# KiCad board microcyte_panel.kicad_pcb (continued)
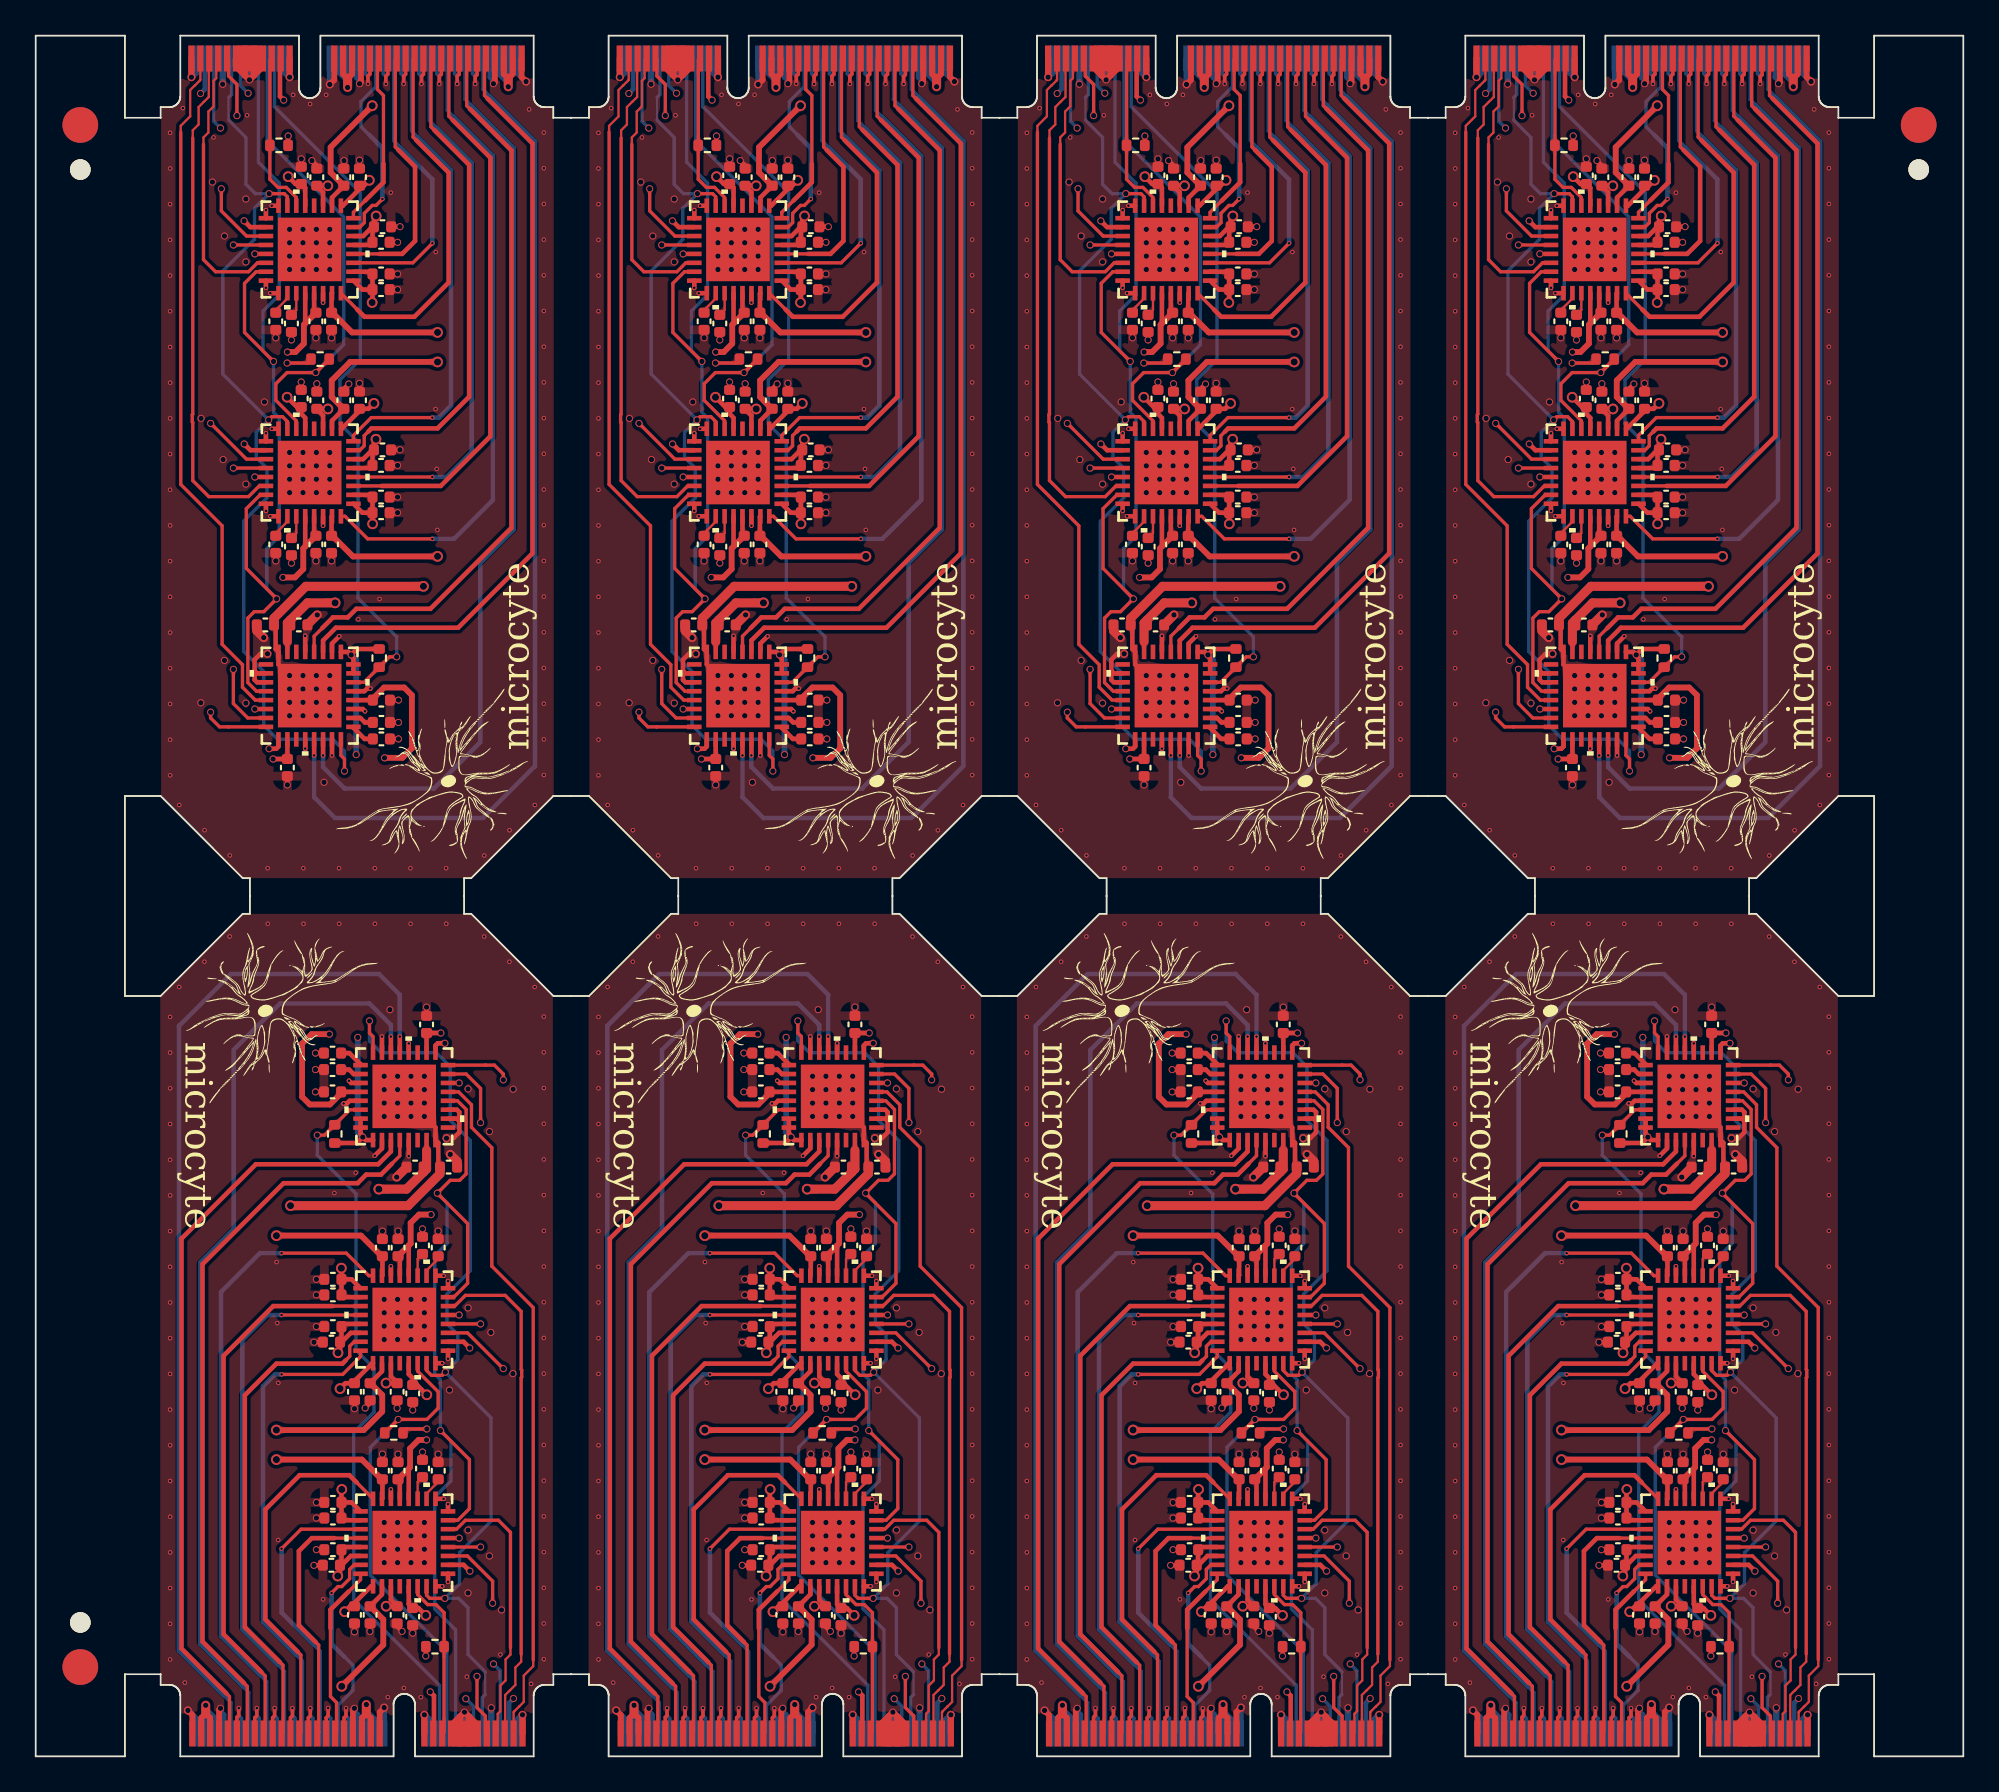
[diagram p0: board, top side]
## Routing (per net, layer and track width the routed paths; a pad name or vN(x,y) marks a point on that pad's centre or on a via; arc(x,y) is an arc through that point) (continued)
  Top w0.254: C27.2 63.22,63.4 ; 60.27,60.82 60.27,61.44 60.6,61.77 v3(60.99,61.77) ; 60.27,60.82 60.27,60.31 60.4,60.18 U3#6.11 ; 60.27,60.82 60.41,60.68 U3#6.10 ; v4(60.9,69.78) 60.9,70.17 U2#7.8 ; v4(66.75,59.82) 66.57,59.82 66.42,59.67 65.8,59.67 ; U3#6.23 v4(64.6,56.07) ; v2(63.48,89.4) 63.75,89.13 C12#8.2 ; C8#4.2 v2(68.28,83.05) ; v4(64.1,81.45) U1#5.14 ; v4(61.15,69.47) U2#7.9 ; v4(60.9,74.12) 60.9,73.68 U2#7.1 ; C6#7.2 v2(62.33,66.85) ; C26#5.2 v2(62.88,77) ; 67.83,73.2 v2(68.41,73.2) ; v2(66.14,76.93) C21#2.2 ; v2(66.14,89.43) C11.2 ; v4(64.1,68.95) U2#7.14 ; C7#8.2 v2(68.28,82.18) ; v4(61.15,81.97) U1#5.9 ; C22.2 v2(63.75,76.9) ; 64.58,67.42 v2(64.58,66.98) ; v4(61.23,86.88) 61.6,86.88 U1#5.32 ; 62.1,54.91 v2(62.1,54.43) ; 67.83,85.7 v2(68.41,85.7) ; U3#6.5 v4(63.1,62.77) ; v4(60.9,82.28) 60.9,82.67 U1#5.8 ; v4(66.45,58.55) 66.33,58.67 U3#6.27 ; U2#7.32 61.6,74.38 v4(61.23,74.38) ; C5.2 v2(61.45,66.98) ; v4(65.01,62.75) 64.6,62.35 U3#6.2 ; C15#7.2 v2(63.7,79.48) ; C16#6.2 v2(62.88,89.5) ; C18#7.2 v2(68.28,70.55) ; 65.27,89.39 C13#6.2 ; v4(60.9,86.62) 60.9,86.18 U1#5.1 ; C19#3.2 v2(68.28,72.33) ; C30.2 v2(68.33,59.17) ; C17#3.2 v2(68.28,69.68) ; v2(65.54,76.89) 65.27,76.61 C23#2.2 ; C9#4.2 v2(68.28,84.83) ; C2#8.2 v2(68.33,57.93) ; U3#6.20 v4(63.1,56.46) ; v2(64.58,79.47) C14#5.2 ; C25#7.2 v2(63.7,66.98) ; C1.2 v2(68.33,57) ; C4#2.2 v2(62.33,79.35) ; C3#3.2 v2(61.45,79.48)
  Top w0.325: 75.22,95.12 75.22,94.09 v3(75.48,93.83) ; 73.73,95.12 73.73,93.79 v2(73.65,93.71) ; v3(64.48,93.67) 64.48,93.67 64.73,93.92 64.73,95.13 ; 66.23,95.12 66.23,93.79 v2(66.15,93.71)
  Top w0.35: 59.73,94.18 59.23,94.68 59.23,95.12 ; 59.73,94.18 59.73,95.12 ; 59.73,94.18 v2(59.98,93.93) 60.23,94.18 ; 60.23,94.18 60.23,95.12 ; 60.23,94.18 60.73,94.68 60.73,95.12 ; 56.73,95.12 v3(56.73,94.08) ; 62.23,95.12 v3(62.23,94.08)
  Top w0.508: C28#5.2 60.39,63.06 v2(60.78,62.68) ; 63.22,63.4 v3(63.78,63.95)
  Bottom w0.186: v3(75.48,93.83) 75.47,93.83
  Bottom w0.2: v4(70.62,93.7) 70.62,94.13 70.48,94.27 J1.56 ; v4(71.62,93.7) 71.62,94.13 71.48,94.27 J1.60 ; v4(68.62,93.7) 68.62,94.13 68.48,94.27 J1.48 ; v4(66.62,93.71) 66.62,94.14 66.48,94.28 66.48,95.13 ; J1.44 67.48,94.27 67.62,94.13 v4(67.62,93.7) ; v4(72.63,93.7) 72.63,94.13 72.48,94.28 J1.64 ; v4(69.62,93.7) 69.62,94.13 69.48,94.27 J1.52
  Bottom w0.325: 64.48,95.13 v3(64.48,93.67) ; 74.97,95.12 74.97,94.33 75.47,93.83 ; J1.68 73.48,94.08 73.65,93.91 v2(73.65,93.71) ; v2(66.15,93.71) 66.15,93.91 65.98,94.08 J1.38
  Bottom w0.35: J1.2 56.98,94.33 v3(56.73,94.08) ; v2(59.98,93.93) J1.14 ; v3(62.23,94.08) 61.98,94.33 J1.22 ; J1.8 v2(58.48,93.68)
  vias: v2(57.27,74.96) v2(57.25,59.03) v2(57.9,88.2) v2(58.5,72.65) v2(58.58,85.18) v2(58.58,61.4) v2(59.78,87.25) v2(59.78,83.73) v2(59.78,71.28) v2(59.78,59.01) v2(60.82,75.88) v2(62.23,85.55) v2(62.23,84.8) v2(62.23,84.05) v2(62.23,83.3) v2(62.23,73.05) v2(62.23,72.3) v2(62.23,71.55) v2(62.23,70.8) v2(62.98,85.55) v2(62.98,84.8) v2(62.98,84.05) v2(62.98,83.3) v2(62.98,73.05) v2(62.98,72.3) v2(62.98,71.55) v2(62.98,70.8) v2(63.73,85.55) v2(63.73,84.8) v2(63.73,84.05) v2(63.73,83.3) v2(63.73,73.05) v2(63.73,72.3) v2(63.73,71.55) v2(63.73,70.8) v2(64.16,54.57) v2(64.48,85.55) v2(64.48,84.8) v2(64.48,84.05) v2(64.48,83.3) v2(64.48,73.05) v2(64.48,72.3) v2(64.48,71.55) v2(64.48,70.8) v2(65.28,89.4) v4(55.53,90.96) v4(55.53,88.96) v4(55.53,86.96) v4(55.53,84.96) v4(55.53,82.96) v4(55.53,80.96) v4(55.53,78.96) v4(55.53,76.96) v4(55.53,74.96) v4(55.53,72.96) v4(55.53,70.96) v4(55.53,68.96) v4(55.53,66.96) v4(55.53,64.96) v4(55.53,62.96) v4(55.53,60.96) v4(55.53,58.96) v4(55.53,56.96) v4(55.53,54.96) v4(56.05,53.3) v4(56.25,92.34) v4(57.46,51.89) v4(57.97,90.7) v4(58.87,50.47) v4(59.85,91.94) v4(61,49.75) v4(62.43,93.09) v4(63,49.75) v4(63.38,92.58) v4(64.28,93.09) v4(65,49.75) v4(66.08,63.7) v4(67,49.75) v4(67.27,64.84) v4(67.9,87.61) v4(69,49.75) v4(70.41,84.28) v4(70.41,75.48) v4(70.47,72.13) v4(70.51,68.71) v4(71,49.75) v4(73.13,50.47) v4(74.55,51.88) v4(75.65,92.27) v4(75.96,53.3) v4(76.47,90.98) v4(76.47,88.98) v4(76.47,86.98) v4(76.47,84.98) v4(76.47,82.98) v4(76.47,80.98) v4(76.47,78.98) v4(76.47,76.98) v4(76.47,74.98) v4(76.47,72.98) v4(76.47,70.98) v4(76.47,68.98) v4(76.47,66.98) v4(76.47,64.98) v4(76.47,62.98) v4(76.47,60.98) v4(76.47,58.98) v4(76.47,56.98) v4(76.47,54.98)
Board_2-I0: length 9.8
  Top w0.186: U1#5.24 65.8,86.5 66.46,87.16 ; 67.49,89.21 67.49,93.05 67.15,93.39 67.15,95.05 67.23,95.12
  Top w0.254: 66.46,87.16 67.49,88.19 67.49,89.21
Board_2-I1: length 11.3
  Top w0.186: v4(67.43,87.25) 67.07,86.89 66.85,86.89 66.41,86.45 66.41,85.93 66.16,85.68 U1#5.23
  Bottom w0.186: J1.42 67.06,95.05 67.06,93.54 66.23,92.71 66.23,91.3 66.69,90.84
  Bottom w0.254: v4(67.43,87.25) 67.43,90.1 66.69,90.84
Board_2-I2: length 14.5
  Top w0.186: 68.33,89.99 68.15,90.17 68.15,95.05 68.23,95.12 ; U1#5.20 67.28,84.18
  Top w0.254: 67.28,84.18 68.53,84.18 69.26,84.9 69.26,89.06 68.33,89.99
Board_2-I3: length 16.2
  Top w0.186: U1#5.19 69.13,83.68 v4(70.23,84.77)
  Bottom w0.186: 68.43,90.15 68.06,90.52 68.06,95.05 J1.46
  Bottom w0.254: 68.43,90.15 70.23,88.35 v4(70.23,84.77)
Board_2-I4: length 20.8
  Top w0.186: 69.33,90.54 69.15,90.72 69.15,95.05 69.23,95.12 ; 66.02,81.05 U1#5.16
  Top w0.254: 66.02,81.05 66.42,80.65 69.22,80.65 71.14,82.57 71.14,88.73 69.33,90.54
Board_2-I5: length 26.9
  Top w0.186: U2#7.24 65.8,74 66.8,75 v4(70.23,75)
  Bottom w0.186: 69.41,90.72 69.06,91.07 69.06,95.05 J1.50
  Bottom w0.254: v4(70.23,75) 70.6,75 71.27,75.67 71.27,88.86 69.41,90.72
Board_2-I6: length 27.9
  Top w0.186: 70.33,91.12 70.15,91.3 70.15,95.05 70.23,95.12 ; 66.64,74.23 66.41,73.99 66.41,73.42 66.16,73.18 U2#7.23
  Top w0.254: 70.33,91.12 72.29,89.16 72.29,76.17 70.52,74.4 66.82,74.4 66.64,74.23
Board_2-I7: length 30.3
  Top w0.186: v4(70.23,71.68) U2#7.20
  Bottom w0.186: 70.44,91.27 70.06,91.65 70.06,95.05 J1.54
  Bottom w0.254: 70.44,91.27 72.43,89.28 72.43,73.08 71.02,71.68 v4(70.23,71.68)
Board_2-I8: length 31
  Top w0.186: 71.23,95.12 71.15,95.05 71.15,91.89 71.37,91.67 ; U2#7.19 67.39,71.17
  Top w0.254: 71.37,91.67 73.48,89.56 73.48,73.96 70.69,71.17 67.39,71.17
Board_2-I9: length 35.8
  Top w0.186: v4(70.23,68.21) 66.6,68.21 65.33,69.47 U2#7.16
  Bottom w0.186: 71.4,91.88 71.06,92.22 71.06,95.05 J1.58
  Bottom w0.254: v4(70.23,68.21) 71.44,68.21 73.62,70.39 73.62,89.66 71.4,91.88
Board_2-LDAC: length 52.6
  Top w0.186: U1#5.7 60.35,83.18 59.7,82.53 59.7,79.78 v2(61.33,78.15) ; U2#7.7 60.58,70.68 59.8,69.9 59.8,66.56 61.5,64.86 v2(61.5,64.85) 60.78,64.13 60.25,64.13 59.89,63.77 59.89,60.16 60.37,59.68 U3#6.12
  Bottom w0.186: J1.16 60.48,89.31 61.65,88.14 61.65,81.88 60.74,80.97 60.74,78.74 v2(61.33,78.15) 61.33,75.3 61.65,74.98 61.65,68.35 60.95,67.66 60.95,65.4 v2(61.5,64.85)
Board_2-MISO: length 42.3
  Top w0.186: U3#6.15 59.88,58.18 59.08,58.98 v2(59.08,60.9) ; 58.73,95.12 58.81,95.05 58.81,94.14 59.28,93.67 v2(59.28,91.92) ; v2(59.08,84.68) U1#5.4 ; v2(59.08,72.18) U2#7.4
  In3.Cu w0.186: v2(59.08,60.9) v2(59.08,72.18) v2(59.08,84.68) 59.08,86.95 59.28,87.15 v2(59.28,91.92)
Board_2-MOSI: length 48.9
  Top w0.186: U3#6.16 58.3,57.68 57.8,58.18 v2(57.8,58.5) ; v2(58.4,87.83) 58.4,86.59 59.81,85.18 U1#5.3 ; U2#7.3 59.81,72.68 57.81,74.68 v2(57.8,74.68)
  In3.Cu w0.186: v2(58.35,91.23) 58.4,91.18 58.4,87.83 v2(58.4,87.83) 57.8,87.23 v2(57.8,74.68) v2(57.8,58.5)
  Bottom w0.186: v2(58.35,91.23) 57.98,91.6 J1.6
Board_2-Net-(U1-REF): length 1.4
  Top w0.127: U1#5.10 62.1,81.68 61.45,81.03 C3#3.1
Board_2-Net-(U1-REFCOMP): length 1.3
  Top w0.127: U1#5.11 62.6,81.03 C4#2.1
Board_2-Net-(U2-REF): length 1.4
  Top w0.127: U2#7.10 62.1,69.18 61.45,68.53 C5.1
Board_2-Net-(U2-REFCOMP): length 1.3
  Top w0.127: U2#7.11 62.6,68.53 C6#7.1
Board_2-Net-(U3-REF): length 1.4
  Top w0.254: C1.1 66.43,57 65.8,57.62 U3#6.25
Board_2-Net-(U3-REFCOMP): length 1.2
  Top w0.254: U3#6.26 66.19,58.18 66.44,57.92 C2#8.1
Board_2-SCLK: length 38.7
  Top w0.186: U1#5.5 v2(60.28,84.18) ; v2(60.28,58.67) U3#6.14 ; v2(60.28,71.67) 60.9,71.67
  In3.Cu w0.186: v2(60.28,58.67) v2(60.28,71.67) v2(60.28,84.18) 60.28,92.8 v2(59.9,93.18)
  Bottom w0.186: J1.12 59.48,93.6 v2(59.9,93.18)
Board_2-SS1: length 15.7
  Top w0.127: 57.4,90.31 57.4,90.7 57.68,90.98 57.68,92.15 57.97,92.44 57.97,93.87 58.12,94.02 58.12,95.02 58.23,95.12
  Top w0.186: 58.15,95.05 58.23,95.12 ; 57.4,90.31 57.4,83.85 58.08,83.18 59.93,83.18 60.43,83.67 U1#5.6
Board_2-SS2: length 28.8
  Top w0.127: 57.73,95.12 57.7,95.1 57.7,92.97 57.43,92.7 57.42,92.7 57.13,92.4 57.13,91.43 56.8,91.1 56.8,90.66
  Top w0.186: U2#7.6 60.53,71.17 59.93,70.58 57.7,70.58 56.8,71.48 56.8,74.73 56.77,74.76 56.77,75.16 56.8,75.19 56.8,90.66
Board_2-SS3: length 38.7
  Top w0.127: 57.23,95.12 57.23,93.93 57.19,93.89 57.19,93.88 56.92,93.61 56.91,93.61 56.66,93.36 56.66,91.88 56.13,91.35 56.13,90.99
  Top w0.186: 56.13,90.99 56.13,71.26 58.45,68.94 58.45,62.3 59.59,61.16 59.59,59.9 60.31,59.18 U3#6.13
Board_2-TEMP: length 40.4
  Top w0.186: v2(68.23,61.6) 67.83,61.6 R5#7.2 66.4,60.18 U3#6.30
  Bottom w0.127: 61.38,95.03 J1.20
  Bottom w0.186: 61.38,95.03 61.38,92.42 66.19,87.61 66.19,78.26 65.05,77.12 65.05,74.65 66.06,73.64 66.06,64.89 68.23,62.72 v2(68.23,61.6)
Board_2-Vb0: length 43.3
  Top w0.186: 73.33,92.87 73.15,93.05 73.15,95.05 73.23,95.12
  Top w0.254: U3#6.3 64.1,62.52 64.82,63.23 71.67,63.23 75.84,67.4 75.84,90.36 73.33,92.87
Board_2-Vb1: length 41.8
  Top w0.186: U3#6.4 63.6,62.76 64.06,63.21 ; 72.34,92.29 72.15,92.48 72.15,95.05 72.23,95.12
  Top w0.254: 72.34,92.29 74.66,89.97 74.66,68.83 70.12,64.29 65.97,64.29 65.49,63.81 64.66,63.81 64.06,63.21
Board_2-Vb2: length 58.2
  Top w0.254: U3#6.21 v4(63.6,56.07)
  Bottom w0.186: 73.45,93.01 73.06,93.4 73.06,95.05 J1.66
  Bottom w0.254: v4(63.6,56.07) 63.6,53.74 64.77,52.57 73.07,52.57 75.98,55.48 75.98,90.48 73.45,93.01
Board_2-Vb3: length 52.2
  Top w0.254: U3#6.22 v4(64.1,56.07)
  Bottom w0.127: v4(64.1,56.07) 64.1,56.12
  Bottom w0.186: 72.37,92.52 72.06,92.83 72.06,95.05 J1.62
  Bottom w0.254: 72.37,92.52 74.78,90.11 74.78,68.73 72.91,66.86 72.91,56.82 70.31,54.22 65.31,54.22 64.1,55.43 v4(64.1,56.07)
Board_3-+5V: length 46.6
  Top w0.186: 85.71,95.11 85.73,95.12
  Top w0.2: R1#6.1 87.21,78.06 v2(86.09,78.06) ; R3#7.1 86.14,90.77 v2(86.15,90.78)
  Top w0.254: v2(85.3,55.88) 86.1,55.88 U3#2.18 ; 87.71,68.38 87.6,68.49 U2#2.13 ; v2(89.68,61.71) 89.51,61.88 U3#2.1 89.1,61.88 ; v2(89.68,61.71) 90.01,62.04 R5#4.1 ; v2(89.68,61.71) 89.68,61.64 89.8,61.52 U3#2.32 U3#2.31 ; v1(86.15,88.5) 86.55,88.09 C16#2.1 87.1,87.87 U1#3.29 ; 87.71,80.88 87.6,80.99 U1#3.13 ; U1#3.2 84.03,85.68 v2(83.68,86.03) ; v2(83.68,73.53) 84.03,73.18 U2#2.2 ; U2#2.29 87.1,74.99 86.88,75.21 C26#3.1 86.64,75.59 86.09,76.14 v1(86.09,76.14) ; 89.8,59.17 C30#8.1 90.89,59.19 ; U2#2.12 87.1,67.78 ; v2(85.08,56.45) 85.48,56.45 85.6,56.58 U3#2.17 ; 85.71,95.11 85.69,95.09 85.69,93 v2(85.9,92.79) ; U1#3.12 87.1,80.28
  Top w0.325: C15.1 87.03,80.21 87.03,79.15 86.55,78.68 v2(86.1,78.68) ; v2(85.85,66.05) 86.53,66.05 86.99,66.52 86.99,67.67 C25#5.1 ; v2(91.55,55.94) 92.55,55.94 93.08,56.47 93.08,59.45 92.65,59.88 91.52,59.88 90.89,59.25 90.89,59.19
  Bottom w0.254: J1#7.4 81.48,93.4 v2(81.23,93.16)
  Bottom w0.325: v2(89.96,56.12) 89.96,61.43 v2(89.68,61.71)
Board_3-+10V: length 36.2
  Top w0.2: U3#2.7 86.1,62.45
  Top w0.254: 90.14,87.92 C11#5.1 90.39,88 v1(90.69,88.3) ; U1#3.17 90.3,82.18 C7#6.1 ; 90.14,87.91 90.14,87.8 89.21,86.88 U1#3.25 ; C7#6.1 90.87,81.47 v1(90.85,81.45) ; C7#6.1 C8#5.1 90.75,83.18 U1#3.18 ; 87.73,88 88.1,87.63 U1#3.27 ; C9#6.1 90.87,85.61 C10#4.1 90.95,86.23 91.03,86.3 v1(91.08,86.3) ; C17.1 C18#4.1 90.75,70.68 U2#2.18 ; C17.1 90.87,69.06 v1(90.88,69.05) ; C17.1 90.3,69.68 U2#2.17 ; U1#3.21 90.72,84.68 ; C12.1 88.36,88 v1(88.37,87.99) ; C19.1 90.87,73.11 C20#2.1 90.95,73.58 91.06,73.69 v1(91.06,73.79) ; C22#7.1 88.36,75.5 v1(88.37,75.49) ; 90.87,85.69 90.35,85.17 89.8,85.18 ; U2#2.22 90.35,72.68 90.87,73.2 ; U2#2.25 89.14,74.38 90.14,75.37 90.14,75.42 C21.1 90.65,75.5 v1(90.95,75.8) ; 90.87,72.33 90.72,72.18 U2#2.21 ; 87.73,75.5 88.1,75.13 U2#2.27
  Top w0.325: 89.73,95.12 89.73,94.25 89.48,94 89.23,94.25 89.23,95.12
  Top w0.508: 86.1,62.45 86.1,63.5 86.26,63.66 ; 86.26,63.66 87.23,64.62 v1(88.78,64.62) ; 86.26,63.66 C27#7.1 ; v2(89.48,93.5) 89.48,94
  In2.Cu w0.508: v2(89.48,93.5) 89.48,93
  Bottom w0.325: J1#7.34 88.98,94.38 89.48,93.88 v2(89.48,93.5) J1#7.36
Board_3--10V: length 51.2
  Top w0.254: 88.62,80.88 C14#6.1 88.58,81.95 U1#3.15 ; v1(94.52,67.23) 94.51,67.23 ; U1#3.26 88.6,87.33 C13#2.1 ; U2#2.15 88.58,69.45 88.58,68.38 ; C28#2.1 85.44,63.29 85.44,62.03 U3#2.8 85.6,61.17 v2(86.23,60.55) ; 88.62,68.38 C24#4.1 ; v1(94.52,78.12) 94.51,78.12 ; U2#2.26 88.6,74.83 C23.1 89.25,75.5
  Top w0.325: v1(90.86,92.48) 88.53,90.15 88.53,88.74 C13#2.1 ; 94.51,67.23 89.78,67.23 88.62,68.38 ; 94.51,78.12 89.63,78.12 88.59,77.09 88.59,76.16 89.25,75.5 ; 98.73,95.12 98.73,94.25 98.48,94 98.23,94.25 98.23,95.12 ; 88.62,80.88 89.73,79.78 v1(94.52,79.78)
  Top w0.508: v2(98.48,93.54) 98.48,94 ; v1(93.73,65.55) 87.14,65.55 85.35,63.76 C28#2.1
  In2.Cu w0.508: v2(98.48,93.54) 98.48,93.11
  Bottom w0.325: J1#7.70 97.98,94.27 98.48,93.77 v2(98.48,93.54) J1#7.72
  vias: v2(86.23,59.8) v2(86.23,59.05) v2(86.23,58.3) v2(86.98,60.55) v2(86.98,59.8) v2(86.98,59.05) v2(86.98,58.3) v2(87.73,60.55) v2(87.73,59.8) v2(87.73,59.05) v2(87.73,58.3) v2(88.48,60.55) v2(88.48,59.8) v2(88.48,59.05) v2(88.48,58.3)
Board_3-CLR: length 53.8
  Top w0.186: v2(85.08,87.55) 85.93,87.55 86.1,87.38 U1#3.31 ; U2#2.31 86.1,74.78 85.83,75.05 85.23,75.05 v2(85.05,74.88) ; U3#2.24 89.1,56.08 89.3,55.88 v2(89.3,55.2)
  Bottom w0.127: 82.81,92.94 82.81,91.66
  Bottom w0.186: 82.81,91.66 83.78,90.7 83.78,88.08 84.3,87.55 v2(85.08,87.55) 84.26,86.73 84.26,84.99 82.49,83.22 82.49,77.44 v2(85.05,74.88) 84.36,74.18 84.36,72.77 84.96,72.17 84.96,70.5 83.65,69.2 83.65,61.9 84.78,60.78 84.78,57.76 85.56,56.98 88.65,56.98 89.3,56.33 v2(89.3,55.2) ; 82.81,92.94 82.98,93.1 J1#7.10
Board_3-FAULT1: length 9.2
  Top w0.186: U1#3.30 86.6,87.34 86.04,87.9 85.58,87.9 85.12,88.36 R3#7.2 85.13,90.26 85.13,95.03 85.23,95.12
Board_3-FAULT2: length 26.6
  Top w0.186: v2(87.69,77.53) 86.08,77.53 85.46,76.9 85.46,75.97 86.6,74.83 U2#2.30
  Top w0.2: v2(87.69,77.53) R1#6.2
  Bottom w0.186: J1#7.18 84.98,90.53 89.26,86.25 89.26,79.09 v2(87.69,77.53)
Board_3-GND: length 72.1
  Top w0.127: U2#2.9 85.59,69.47 ; U1#3.9 85.59,81.97
  Top w0.2: v4(90.62,93.71) 90.62,94.14 90.73,94.25 90.73,95.13 ; 91.73,95.12 91.73,94.24 91.62,94.13 v4(91.62,93.7) ; 94.73,95.12 94.73,94.24 94.62,94.13 v4(94.62,93.7) ; 95.73,95.12 95.73,94.24 95.62,94.13 v4(95.62,93.7) ; 92.73,95.12 92.73,94.24 92.62,94.13 v4(92.62,93.7) ; v4(96.63,93.7) 96.63,94.11 96.73,94.21 96.73,95.12 ; 93.73,95.12 93.73,94.24 93.62,94.13 v4(93.62,93.7)
  Top w0.254: C26#3.2 v2(86.88,77) ; v2(88.58,79.47) C14#6.2 ; C25#5.2 v2(87.7,66.98) ; C30#8.2 v2(92.33,59.17) ; U1#3.8 84.9,82.67 v4(84.9,82.28) ; v4(85.15,69.47) U2#2.9 ; C12.2 87.75,89.13 v2(87.48,89.4) ; v2(89.54,76.89) 89.27,76.61 C23.2 ; U2#2.1 84.9,73.68 v4(84.9,74.12) ; v4(84.9,86.62) 84.9,86.18 U1#3.1 ; v4(85.15,81.97) U1#3.9 ; C27#7.2 87.22,63.4 ; C5#2.2 v2(85.45,66.98) ; 91.83,85.7 v2(92.41,85.7) ; C8#5.2 v2(92.28,83.05) ; 89.8,59.67 90.42,59.67 90.57,59.82 v4(90.75,59.82) ; 88.58,67.42 v2(88.58,66.98) ; U2#2.8 84.9,70.17 v4(84.9,69.78) ; U3#2.2 88.6,62.35 v4(89.01,62.75) ; U3#2.20 v4(87.1,56.46) ; v2(90.14,76.93) C21.2 ; U2#2.32 85.6,74.38 v4(85.23,74.38) ; C18#4.2 v2(92.28,70.55) ; C7#6.2 v2(92.28,82.18) ; C2#3.2 v2(92.33,57.93) ; U3#2.23 v4(88.6,56.07) ; C19.2 v2(92.28,72.33) ; C16#2.2 v2(86.88,89.5) ; 84.27,60.82 84.27,61.44 84.6,61.77 v3(84.99,61.77) ; 84.27,60.82 84.41,60.68 U3#2.10 ; 84.27,60.82 84.27,60.31 84.4,60.18 U3#2.11 ; v4(88.1,81.45) U1#3.14 ; C1#6.2 v2(92.33,57) ; v4(90.45,58.55) 90.33,58.67 U3#2.27 ; C9#6.2 v2(92.28,84.83) ; C15.2 v2(87.7,79.48) ; C17.2 v2(92.28,69.68) ; C6#6.2 v2(86.33,66.85) ; v2(90.14,89.43) C11#5.2 ; v4(88.1,68.95) U2#2.14 ; C22#7.2 v2(87.75,76.9) ; C4#3.2 v2(86.33,79.35) ; v4(85.23,86.88) 85.6,86.88 U1#3.32 ; U3#2.5 v4(87.1,62.77) ; 91.83,73.2 v2(92.41,73.2) ; C3#6.2 v2(85.45,79.48) ; 86.1,54.91 v2(86.1,54.43) ; 89.27,89.39 C13#2.2
  Top w0.325: v3(99.48,93.83) 99.22,94.09 99.22,95.12 ; 97.73,95.12 97.73,93.79 v2(97.65,93.71) ; 88.73,95.13 88.73,93.92 88.48,93.67 v3(88.48,93.67) ; v2(90.15,93.71) 90.23,93.79 90.23,95.12
  Top w0.35: 83.23,95.12 83.23,94.68 83.73,94.18 ; 84.23,94.18 84.23,95.12 ; 84.23,94.18 v2(83.98,93.93) 83.73,94.18 ; 84.23,94.18 84.73,94.68 84.73,95.12 ; 80.73,95.12 v3(80.73,94.08) ; 86.23,95.12 v3(86.23,94.08) ; 83.73,94.18 83.73,95.12
  Top w0.508: v2(84.78,62.68) 84.39,63.06 C28#2.2 ; 87.22,63.4 v3(87.78,63.95)
  Bottom w0.186: v3(99.48,93.83) 99.47,93.83
  Bottom w0.2: 90.48,95.13 90.48,94.28 90.62,94.14 v4(90.62,93.71) ; J1#7.56 94.48,94.27 94.62,94.13 v4(94.62,93.7) ; J1#7.52 93.48,94.27 93.62,94.13 v4(93.62,93.7) ; v4(95.62,93.7) 95.62,94.13 95.48,94.27 J1#7.60 ; v4(96.63,93.7) 96.63,94.13 96.48,94.28 J1#7.64 ; v4(92.62,93.7) 92.62,94.13 92.48,94.27 J1#7.48 ; v4(91.62,93.7) 91.62,94.13 91.48,94.27 J1#7.44
  Bottom w0.325: J1#7.38 89.98,94.08 90.15,93.91 v2(90.15,93.71) ; 98.97,95.12 98.97,94.33 99.47,93.83 ; v2(97.65,93.71) 97.65,93.91 97.48,94.08 J1#7.68 ; 88.48,95.13 v3(88.48,93.67)
  Bottom w0.35: J1#7.22 85.98,94.33 v3(86.23,94.08) ; v3(80.73,94.08) 80.98,94.33 J1#7.2 ; J1#7.8 v2(82.48,93.68) ; v2(83.98,93.93) J1#7.14
  vias: v2(81.27,74.96) v2(81.25,59.03) v2(81.9,88.2) v2(82.5,72.65) v2(82.58,85.18) v2(82.58,61.4) v2(83.78,87.25) v2(83.78,83.73) v2(83.78,71.28) v2(83.78,59.01) v2(84.82,75.88) v2(86.23,85.55) v2(86.23,84.8) v2(86.23,84.05) v2(86.23,83.3) v2(86.23,73.05) v2(86.23,72.3) v2(86.23,71.55) v2(86.23,70.8) v2(86.98,85.55) v2(86.98,84.8) v2(86.98,84.05) v2(86.98,83.3) v2(86.98,73.05) v2(86.98,72.3) v2(86.98,71.55) v2(86.98,70.8) v2(87.73,85.55) v2(87.73,84.8) v2(87.73,84.05) v2(87.73,83.3) v2(87.73,73.05) v2(87.73,72.3) v2(87.73,71.55) v2(87.73,70.8) v2(88.16,54.57) v2(88.48,85.55) v2(88.48,84.8) v2(88.48,84.05) v2(88.48,83.3) v2(88.48,73.05) v2(88.48,72.3) v2(88.48,71.55) v2(88.48,70.8) v2(89.28,89.4) v4(79.53,90.96) v4(79.53,88.96) v4(79.53,86.96) v4(79.53,84.96) v4(79.53,82.96) v4(79.53,80.96) v4(79.53,78.96) v4(79.53,76.96) v4(79.53,74.96) v4(79.53,72.96) v4(79.53,70.96) v4(79.53,68.96) v4(79.53,66.96) v4(79.53,64.96) v4(79.53,62.96) v4(79.53,60.96) v4(79.53,58.96) v4(79.53,56.96) v4(79.53,54.96) v4(80.05,53.3) v4(80.25,92.34) v4(81.46,51.89) v4(81.97,90.7) v4(82.87,50.47) v4(83.85,91.94) v4(85,49.75) v4(86.43,93.09) v4(87,49.75) v4(87.38,92.58) v4(88.28,93.09) v4(89,49.75) v4(90.08,63.7) v4(91,49.75) v4(91.27,64.84) v4(91.9,87.61) v4(93,49.75) v4(94.41,84.28) v4(94.41,75.48) v4(94.47,72.13) v4(94.51,68.71) v4(95,49.75) v4(97.13,50.47) v4(98.55,51.88) v4(99.65,92.27) v4(99.96,53.3) v4(100.47,90.98) v4(100.47,88.98) v4(100.47,86.98) v4(100.47,84.98) v4(100.47,82.98) v4(100.47,80.98) v4(100.47,78.98) v4(100.47,76.98) v4(100.47,74.98) v4(100.47,72.98) v4(100.47,70.98) v4(100.47,68.98) v4(100.47,66.98) v4(100.47,64.98) v4(100.47,62.98) v4(100.47,60.98) v4(100.47,58.98) v4(100.47,56.98) v4(100.47,54.98)
Board_3-I0: length 9.8
  Top w0.186: 91.23,95.12 91.15,95.05 91.15,93.39 91.49,93.05 91.49,89.21 ; 90.46,87.16 89.8,86.5 U1#3.24
  Top w0.254: 91.49,89.21 91.49,88.19 90.46,87.16
Board_3-I1: length 11.3
  Top w0.186: v4(91.43,87.25) 91.07,86.89 90.85,86.89 90.41,86.45 90.41,85.93 90.16,85.68 U1#3.23
  Bottom w0.186: 90.69,90.84 90.23,91.3 90.23,92.71 91.06,93.54 91.06,95.05 J1#7.42
  Bottom w0.254: 90.69,90.84 91.43,90.1 v4(91.43,87.25)
Board_3-I2: length 14.5
  Top w0.186: 92.33,89.99 92.15,90.17 92.15,95.05 92.23,95.12 ; U1#3.20 91.28,84.18
  Top w0.254: 91.28,84.18 92.53,84.18 93.26,84.9 93.26,89.06 92.33,89.99
Board_3-I3: length 16.2
  Top w0.186: U1#3.19 93.13,83.68 v4(94.23,84.77)
  Bottom w0.186: 92.43,90.15 92.06,90.52 92.06,95.05 J1#7.46
  Bottom w0.254: v4(94.23,84.77) 94.23,88.35 92.43,90.15
Board_3-I4: length 20.8
  Top w0.186: 90.02,81.05 U1#3.16 ; 93.23,95.12 93.15,95.05 93.15,90.72 93.33,90.54
  Top w0.254: 93.33,90.54 95.14,88.73 95.14,82.57 93.22,80.65 90.42,80.65 90.02,81.05
Board_3-I5: length 26.9
  Top w0.186: U2#2.24 89.8,74 90.8,75 v4(94.23,75)
  Bottom w0.186: J1#7.50 93.06,95.05 93.06,91.07 93.41,90.72
  Bottom w0.254: 93.41,90.72 95.27,88.86 95.27,75.67 94.6,75 v4(94.23,75)
Board_3-I6: length 27.9
  Top w0.186: 94.23,95.12 94.15,95.05 94.15,91.3 94.33,91.12 ; 90.64,74.23 90.41,73.99 90.41,73.42 90.16,73.18 U2#2.23
  Top w0.254: 94.33,91.12 96.29,89.16 96.29,76.17 94.52,74.4 90.82,74.4 90.64,74.23
Board_3-I7: length 30.3
  Top w0.186: v4(94.23,71.68) U2#2.20
  Bottom w0.186: 94.44,91.27 94.06,91.65 94.06,95.05 J1#7.54
  Bottom w0.254: v4(94.23,71.68) 95.02,71.68 96.43,73.08 96.43,89.28 94.44,91.27
Board_3-I8: length 31
  Top w0.186: U2#2.19 91.39,71.17 ; 95.37,91.67 95.15,91.89 95.15,95.05 95.23,95.12
  Top w0.254: 91.39,71.17 94.69,71.17 97.48,73.96 97.48,89.56 95.37,91.67
Board_3-I9: length 35.8
  Top w0.186: v4(94.23,68.21) 90.6,68.21 89.33,69.47 U2#2.16
  Bottom w0.186: J1#7.58 95.06,95.05 95.06,92.22 95.4,91.88
  Bottom w0.254: v4(94.23,68.21) 95.44,68.21 97.62,70.39 97.62,89.66 95.4,91.88
Board_3-LDAC: length 52.6
  Top w0.186: U3#2.12 84.37,59.68 83.89,60.16 83.89,63.77 84.25,64.13 84.78,64.13 v2(85.5,64.85) 85.5,64.86 83.8,66.56 83.8,69.9 84.58,70.68 U2#2.7 ; U1#3.7 84.35,83.18 83.7,82.53 83.7,79.78 v2(85.33,78.15)
  Bottom w0.186: v2(85.5,64.85) 84.95,65.4 84.95,67.66 85.65,68.35 85.65,74.98 85.33,75.3 v2(85.33,78.15) 84.74,78.74 84.74,80.97 85.65,81.88 85.65,88.14 84.48,89.31 J1#7.16
Board_3-MISO: length 42.3
  Top w0.186: v2(83.08,72.18) U2#2.4 ; U3#2.15 83.88,58.18 83.08,58.98 v2(83.08,60.9) ; 82.73,95.12 82.81,95.05 82.81,94.14 83.28,93.67 v2(83.28,91.92) ; v2(83.08,84.68) U1#3.4
  In3.Cu w0.186: v2(83.28,91.92) 83.28,87.15 83.08,86.95 v2(83.08,84.68) v2(83.08,72.18) v2(83.08,60.9)
Board_3-MOSI: length 48.9
  Top w0.186: v2(82.4,87.83) 82.4,86.59 83.81,85.18 U1#3.3 ; v2(81.8,58.5) 81.8,58.18 82.3,57.68 U3#2.16 ; U2#2.3 83.81,72.68 81.81,74.68 v2(81.8,74.68)
  In3.Cu w0.186: v2(82.35,91.23) 82.4,91.18 82.4,87.83 v2(82.4,87.83) 81.8,87.23 v2(81.8,74.68) v2(81.8,58.5)
  Bottom w0.186: J1#7.6 81.98,91.6 v2(82.35,91.23)
Board_3-Net-(U1-REF): length 1.4
  Top w0.127: C3#6.1 85.45,81.03 86.1,81.68 U1#3.10
Board_3-Net-(U1-REFCOMP): length 1.3
  Top w0.127: C4#3.1 86.6,81.03 U1#3.11
Board_3-Net-(U2-REF): length 1.4
  Top w0.127: U2#2.10 86.1,69.18 85.45,68.53 C5#2.1
Board_3-Net-(U2-REFCOMP): length 1.3
  Top w0.127: U2#2.11 86.6,68.53 C6#6.1
Board_3-Net-(U3-REF): length 1.4
  Top w0.254: C1#6.1 90.43,57 89.8,57.62 U3#2.25
Board_3-Net-(U3-REFCOMP): length 1.2
  Top w0.254: U3#2.26 90.19,58.18 90.44,57.92 C2#3.1
Board_3-SCLK: length 38.7
  Top w0.186: U1#3.5 v2(84.28,84.18) ; v2(84.28,58.67) U3#2.14 ; v2(84.28,71.67) 84.9,71.67
  In3.Cu w0.186: v2(84.28,58.67) v2(84.28,71.67) v2(84.28,84.18) 84.28,92.8 v2(83.9,93.18)
  Bottom w0.186: v2(83.9,93.18) 83.48,93.6 J1#7.12
Board_3-SS1: length 15.7
  Top w0.127: 81.4,90.31 81.4,90.7 81.68,90.98 81.68,92.15 81.97,92.44 81.97,93.87 82.12,94.02 82.12,95.02 82.23,95.12
  Top w0.186: U1#3.6 84.43,83.67 83.93,83.18 82.08,83.18 81.4,83.85 81.4,90.31 ; 82.15,95.05 82.23,95.12
Board_3-SS2: length 28.8
  Top w0.127: 81.73,95.12 81.7,95.1 81.7,92.97 81.43,92.7 81.42,92.7 81.13,92.4 81.13,91.43 80.8,91.1 80.8,90.66
  Top w0.186: U2#2.6 84.53,71.17 83.93,70.58 81.7,70.58 80.8,71.48 80.8,74.73 80.77,74.76 80.77,75.16 80.8,75.19 80.8,90.66
Board_3-SS3: length 38.7
  Top w0.127: 81.23,95.12 81.23,93.93 81.19,93.89 81.19,93.88 80.92,93.61 80.91,93.61 80.66,93.36 80.66,91.88 80.13,91.35 80.13,90.99
  Top w0.186: U3#2.13 84.31,59.18 83.59,59.9 83.59,61.16 82.45,62.3 82.45,68.94 80.13,71.26 80.13,90.99
Board_3-TEMP: length 40.4
  Top w0.186: v2(92.23,61.6) 91.83,61.6 R5#4.2 90.4,60.18 U3#2.30
  Bottom w0.127: 85.38,95.03 J1#7.20
  Bottom w0.186: v2(92.23,61.6) 92.23,62.72 90.06,64.89 90.06,73.64 89.05,74.65 89.05,77.12 90.19,78.26 90.19,87.61 85.38,92.42 85.38,95.03
Board_3-Vb0: length 43.3
  Top w0.186: 97.23,95.12 97.15,95.05 97.15,93.05 97.33,92.87
  Top w0.254: 97.33,92.87 99.84,90.36 99.84,67.4 95.67,63.23 88.82,63.23 88.1,62.52 U3#2.3
Board_3-Vb1: length 41.8
  Top w0.186: U3#2.4 87.6,62.76 88.06,63.21 ; 96.34,92.29 96.15,92.48 96.15,95.05 96.23,95.12
  Top w0.254: 88.06,63.21 88.66,63.81 89.49,63.81 89.97,64.29 94.12,64.29 98.66,68.83 98.66,89.97 96.34,92.29
Board_3-Vb2: length 58.2
  Top w0.254: U3#2.21 v4(87.6,56.07)
  Bottom w0.186: 97.45,93.01 97.06,93.4 97.06,95.05 J1#7.66
  Bottom w0.254: v4(87.6,56.07) 87.6,53.74 88.77,52.57 97.07,52.57 99.98,55.48 99.98,90.48 97.45,93.01
Board_3-Vb3: length 52.2
  Top w0.254: U3#2.22 v4(88.1,56.07)
  Bottom w0.127: v4(88.1,56.07) 88.1,56.12
  Bottom w0.186: 96.37,92.52 96.06,92.83 96.06,95.05 J1#7.62
  Bottom w0.254: v4(88.1,56.07) 88.1,55.43 89.31,54.22 94.31,54.22 96.91,56.82 96.91,66.86 98.78,68.73 98.78,90.11 96.37,92.52
